# Altium PCB 输入耦合衰减.PcbDoc
Units mm, origin at the board's own origin, x right, y up, seen from the top; angles counter-clockwise.
Board outline 66 x 48 mm, 2 copper layers (Top Layer, Bottom Layer); 22 components, 17 nets, 61 pads, 3 vias.
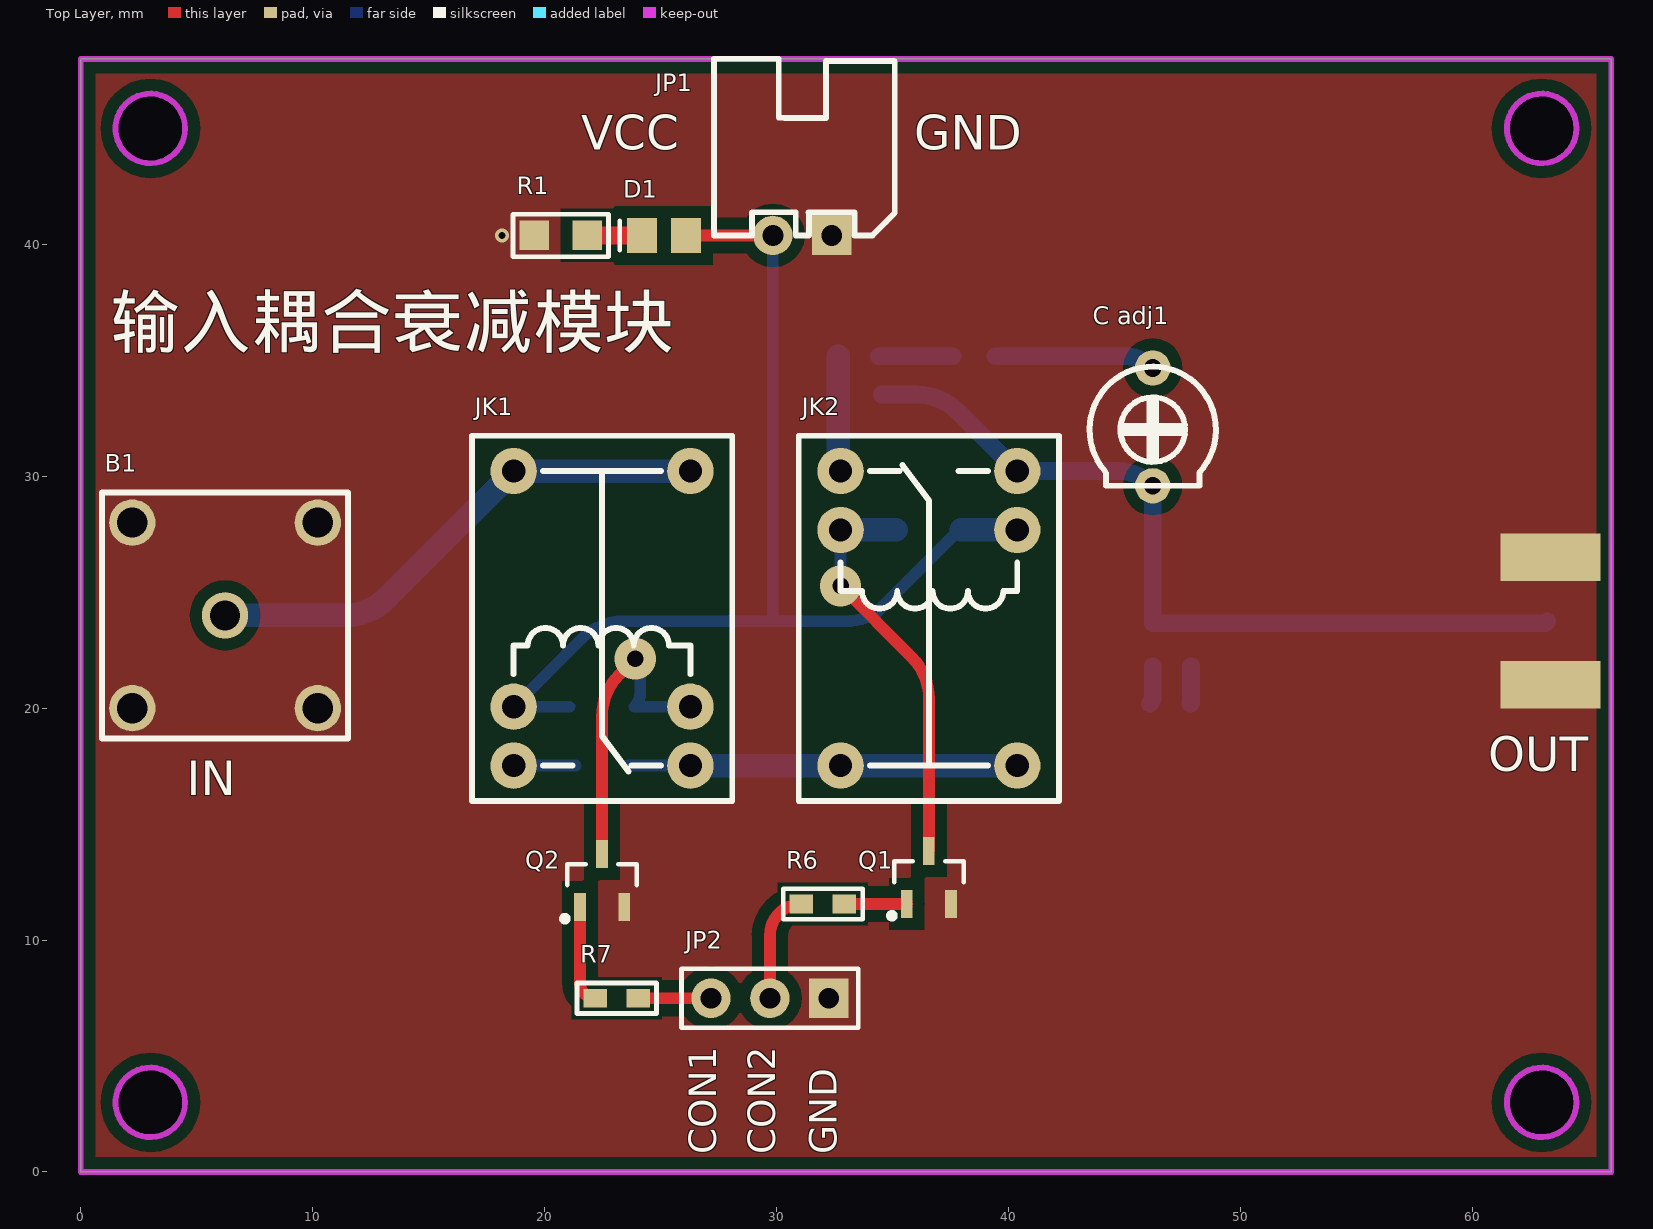
[diagram p0: Top Layer view]
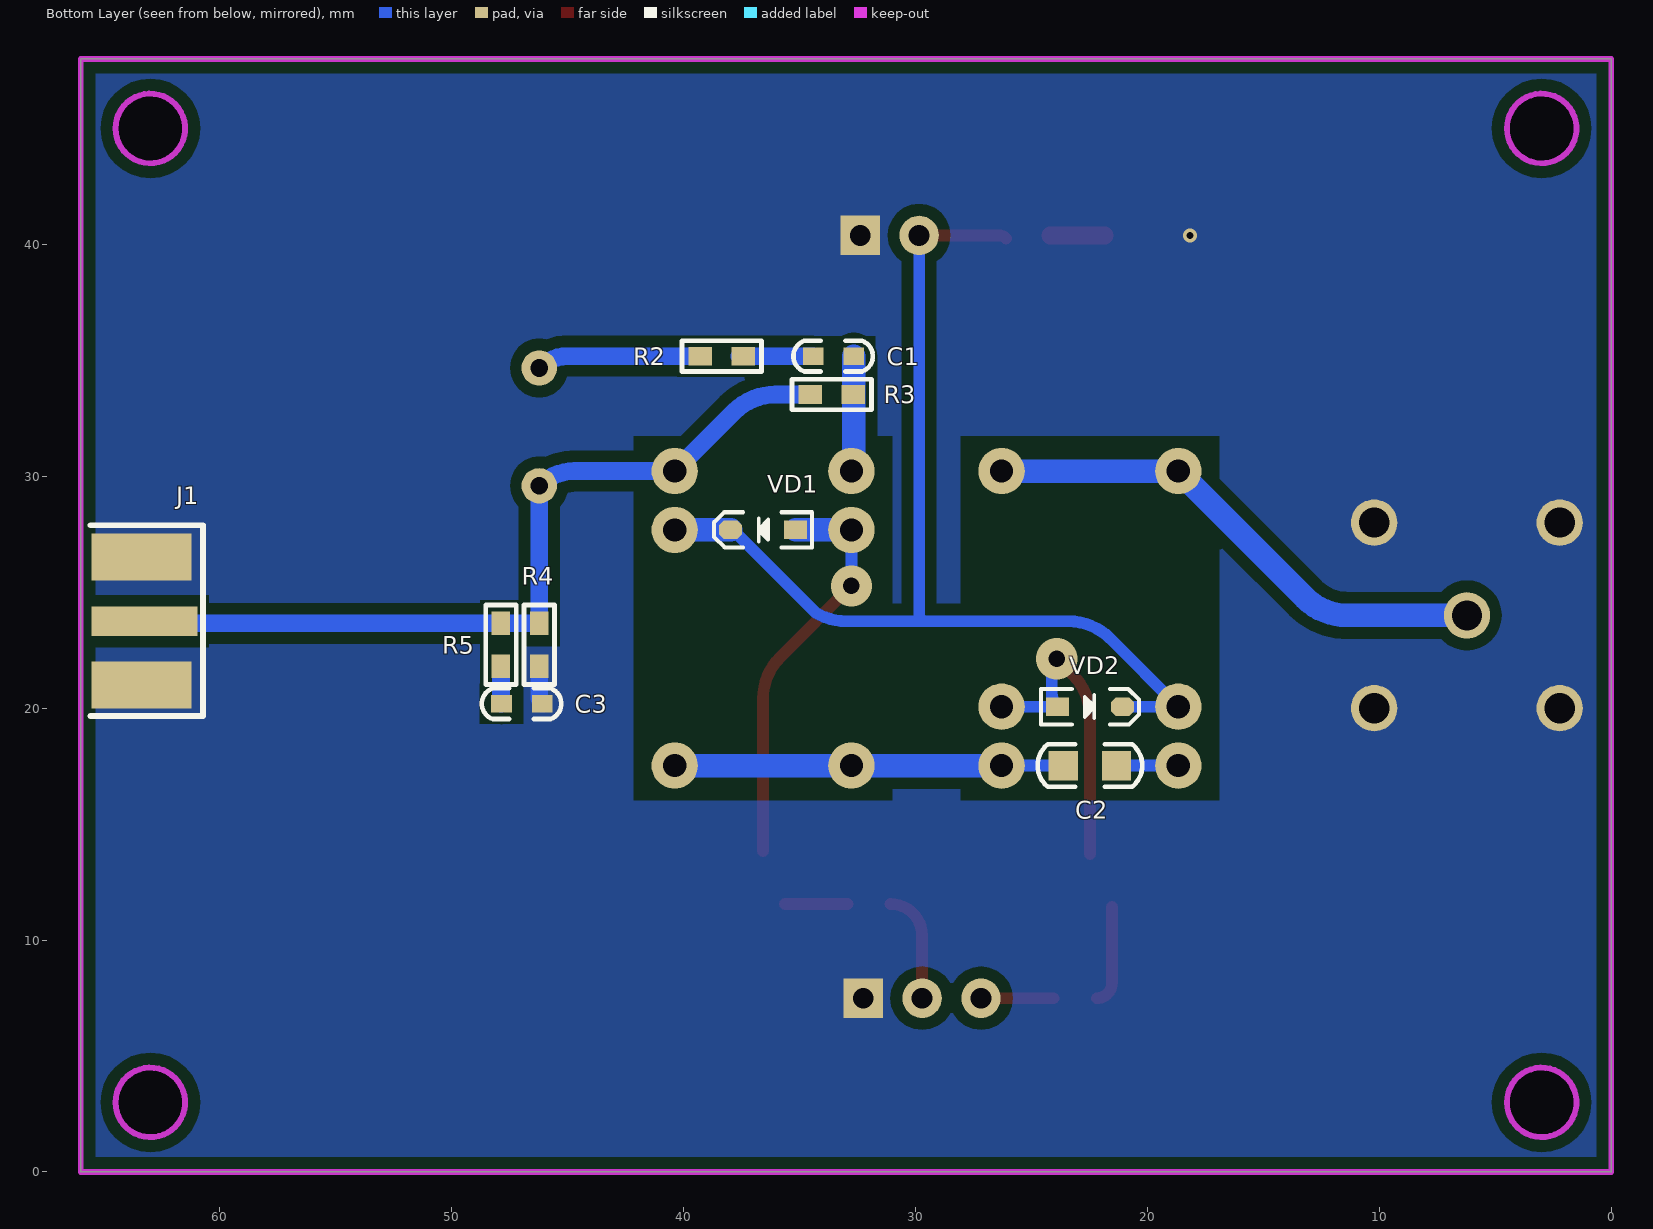
[diagram p1: Bottom Layer view, seen from below]

## Layer stack, top to bottom
Top Solder: solder mask 0.0102, Solder Resist, Dk 3.5
Top Layer: signal copper 0.0356
Dielectric 1: dielectric 0.32, FR-4, Dk 4.8
Bottom Layer: signal copper 0.0356
Bottom Solder: solder mask 0.0102, Solder Resist, Dk 3.5

## Board outline
0,0 66,0 66,48 0,48
cut-out: 61.5,3 ccw(c63,3) 63,1.5 ccw(c63,3) 64.5,3 ccw(c63,3) 63,4.5 ccw(c63,3)
cut-out: 61.5,45 ccw(c63,45) 63,43.5 ccw(c63,45) 64.5,45 ccw(c63,45) 63,46.5 ccw(c63,45)
cut-out: 3,43.5 cw(c3,45) 1.5,45 cw(c3,45) 3,46.5 cw(c3,45) 4.5,45 cw(c3,45)
cut-out: 3,1.5 cw(c3,3) 1.5,3 cw(c3,3) 3,4.5 cw(c3,3) 4.5,3 cw(c3,3)

## Design rules (kind name [scope] priority, off if disabled: settings)
Clearance [All] p1: gap=0.254 ignorepadtopadclearanceinfootprint=FALSE except(0: Arc-Hole Track-Hole SMDPad-Hole THPad-Hole Via-Hole Fill-Hole Poly-Hole Region-Hole Text-Hole; 0.508: Arc-Poly Track-Poly SMDPad-Poly THPad-Poly Via-Poly Fill-Poly Poly-Poly)
MinimumSolderMaskSliver [All] p1: minsoldermaskwidth=0
PolygonConnect [All] p1: connectstyle=Direct reliefconductorwidth=0.254 reliefentries=4 polygonreliefangle="90 Angle" airgapwidth=0.254
RoutingVias [All] p1: holewidth=0.711 width=1.778 viastyle="Through Hole" minholewidth=0.3 minwidth=0.6 maxholewidth=0.711 maxwidth=1.778
SilkToSilkClearance [All] p1: silktosilkclearance=0
SilkToSolderMaskClearance [IsPad] p1: minsilkscreentomaskgap=0 clearancetoexposedcopper=TRUE
SolderMaskExpansion [All] p1: expansion=0.102
Width [All] p1: maxlimit=2.54 minlimit=0.025 preferedwidth=0.254
27 further rules are at their usual default settings.

## Components (designator, comment, footprint, x,y, rotation, side; value= is the part's Value field where it differs from the comment)
B1 "BNC" BNC 6.223,24 r180 top
C1 "10pF" "C 0603" 33.553,35.179 r0 bottom
C2 "104" "C 0805" 22.479,17.526 r0 bottom
C3 "10pF" "C 0603" 46.99,20.193 r0 bottom
"C adj1" "C adj" "Cap adj" 46.228,32.004 r0 top value=30pF
D1 "LED" LED_0805 25.146,40.386 r180 top
J1 "COAX" MCX5.08-5-H 63.246,23.749 r180 bottom
JK1 "HK4100F-DC5V-SHG" HK4100F 22.479,23.876 r90 top
JK2 "HK4100F-DC5V-SHG" HK4100F 36.576,23.876 r270 top
JP1 "HDR-1X2" XH2.54-2P_H 32.385,40.386 r180 top
JP2 "HDR-1X3" HDR-1X3 32.258,7.493 r180 top
Q1 "S9013" SOT23-3N 36.576,12.7 r0 top
Q2 "S9013" SOT23-3N 22.479,12.573 r0 top
R1 "1K" "R 0805" 20.701,40.386 r180 top
R2 "1K" "R 0603" 38.354,35.179 r0 bottom
R3 "887K" "R 0603" 33.617,33.528 r0 bottom
R4 "127K" "R 0603" 46.228,22.733 r90 bottom
R5 "1K" "R 0603" 47.879,22.733 r90 bottom
R6 "200" "R 0603" 32.004,11.557 r0 top
R7 "200" "R 0603" 23.114,7.493 r180 top
VD1 "1N4148" SOD-323 36.576,27.686 r0 bottom
VD2 "1N4148" SOD-323 22.479,20.066 r180 bottom

## Footprints (in the part's own frame and the unit in brackets; to place one, negate y for a bottom-side part, rotate by r counter-clockwise, add the part's x,y. Pads: shape width x height; smd on the part's side, far side on the other; paste and mask are expansions set on the pad)
BNC [mm] "BNC座子"
  round 2 hole 1.3: 1(0,0) 2(-4,4) 2(-4,-4) 2(4,4) 2(4,-4)
  silkscreen extent -5.3,-5.3 5.3,5.3
"C 0603" [mil] "无极性贴片电容"
  rect 35x30 smd: 1(-35,0) 2(34,0)
  silkscreen extent -67,-26 67,26, body extent -31,-16 31,16, height 32
"C 0805" [mil] "无极性贴片电容"
  rect 50x50 smd: 1(-45,0) 2(45,0)
  silkscreen extent -89,-36 89,36, body extent -39,-24 39,24, height 20
"Cap adj" [mil]
  round 60 hole 30: 1(0,105) 2(0,-95)
  silkscreen extent -107,-95 107,107
HDR-1X3 [mm] "排针，3脚"
  rect 1.7x1.7 hole 0.9: 1(0,0)
  round 1.7 hole 0.9: 2(2.54,0) 3(5.08,0)
  silkscreen extent -1.27,-1.27 6.35,1.27, body extent -1.27,-1.27 6.35,1.27, height 8.5
HK4100F [mm] "继?"
  round 2 hole 1: 1(-3.81,3.81) 2(-3.81,-3.81) 3(6.35,-3.81) 3(6.35,3.81) 4(-6.35,3.81) 5(-6.35,-3.81)
  silkscreen extent -7.87,-5.61 7.87,5.61, body extent -7.75,-5.5 7.75,5.5, height 12.2
LED_0805 [mm] "贴片二极管"
  rect 1.3x1.5 smd: 1(-0.95,0) 2(0.95,0)
  silkscreen extent 1.91,-0.63 1.91,0.64
MCX5.08-5-H [mil]
  rect 180x50 smd: 1(0,0)
  rect 170x80 smd: 2(-5,109.25) 5(-5,-108.27)
  rect 170x80 smd far side: 3(-5,108.66) 4(-5,-107.87)
  silkscreen extent -92,-161 99,163, body extent -93,-132 80,134, height 39
"R 0603" [mil] "1/10W贴片电阻"
  rect 40x31.5 smd: 1(-36.5,0) 2(36.5,0)
  silkscreen extent -68,-26 68,26, body extent -31,-16 31,16, height 16
"R 0805" [mil] "1/8W贴片电阻"
  rect 50x50 smd: 1(-45,0) 2(45,0)
  silkscreen extent -81,-36 81,36, body extent -39,-25 39,25, height 20
SOD-323 [mm] "1.8x1.3X0.9mm（长宽高，不包括引脚）"
  rect 1x0.8 smd: 1(-1.4,0)
  oct 1x0.8 smd: 2(1.4,0)
  silkscreen extent -2.11,-0.76 2.11,0.76, body extent -1.34,-0.63 1.31,0.67, height 1
SOT23-3N [mm] "3x1.3x1mm(长宽高)"
  rect 0.5x1.2 smd: 1(-0.95,-1.143) 2(0.95,-1.143) 3(0,1.143)
  silkscreen extent -1.72,-1.78 1.5,0.7, body extent -1.5,-1.2 1.5,1.2, height 1.05
XH2.54-2P_H [mm] "接插件，2P"
  rect 1.7x1.7 hole 0.9: 1(0,0)
  round 1.7 hole 0.9: 2(2.54,0)
  silkscreen extent -2.72,-7.62 5.08,0, body extent -2.5,-7.35 5.04,0.35, height 5.73

## Part data
B1: "BNC座子"
C1 C2 C3: library part C, "无极性贴片电容"
"C adj1": library part "Cap adj"
D1: "发光二极管", LatestRevisionDate=08-Jul-2005, LatestRevisionNote="Mech Layer 1 removed.", PackageReference=LED, Published=8-Jun-2000, Publisher="Altium Limited"
JK1 JK2: library part HK4100F, "单路双控继电器", BOM名称=单路双控继电器, 学习资源=www.ooocke.com, 版权归属=源创客
JP1: library part "Header 2", "2P接插件", BOM名称=2P接插件, 学习资源=www.ooocke.com, 版权归属=源创客
JP2: library part "Header 3", "3P接插件"
Q1 Q2: library part 9013-SMD, "低频放大-NPN型", BOM名称=低频放大-NPN型, 学习资源=www.ooocke.com, 属性=50V?0.5A?0.625W, 版权归属=源创客
R1 R2 R3 R4 R5 R6 R7: library part R, "贴片电阻"
VD1 VD2: "高速开关二极管"

## Via types
v1: diameter 1.778, hole 0.711, Top Layer to Bottom Layer, 2 vias
v2: diameter 0.6, hole 0.3, Top Layer to Bottom Layer, tented both sides, 1 vias

## Nets (pads, with @x,y where several pads share a name; then routed paths per layer and width w, separated by ;. In a path a pad name is that pad's centre, name@x,y a point inside that pad or via, vN(x,y) a via of type N, cw(c..) or ccw(c..) an arc to the next point about the centre after c; other vN are vias at no path point)
CON1: JP2.3 R7.1 | length 3.1
  Top Layer w0.508: R7.1 JP2.3
CON2: JP2.2 R6.1 | length 4.8
  Top Layer w0.508: JP2.2 29.718,10.198 cw(c31.077,10.198) R6.1
GND: B1.2 C3.1 J1.2 J1.3 J1.4 J1.5 JP1.1 JP2.1 Q1.2 Q2.2 R1.2 R4.1 | length 1.6
  Bottom Layer w0.762: C3.1 ccw(c45.794,20.5) 46.228,20.5 R4.1
  other v2: 18.161,40.386
NetB1_1: B1.1 JK1.3 | length 22.5
  Bottom Layer w1.016: B1.1 11.391,24 ccw(c11.391,26.54) 13.187,24.744 18.669,30.226 JK1.3@26.289,30.226
NetC1_1: C1.1 JK2.5 R3.1 | length 5
  Bottom Layer w1.016: C1.1 32.664,30.471 ccw(c33.011,30.471) JK2.5
NetC1_2: C1.2 R2.1 | length 3.2
  Bottom Layer w0.762: C1.2 R2.1 R2.1@37.592,35.179
NetC2_1: C2.1 JK1.4 | length 2.7
  Bottom Layer w0.508: JK1.4 C2.1
NetC2_2: C2.2 JK1.5 JK2.3 | length 16.8
  Bottom Layer w0.508: C2.2 JK1.5
  Bottom Layer w1.016: JK1.5 32.766,17.526 JK2.3@40.386,17.526
NetC3_2: C3.2 R5.1 | length 1.6
  Bottom Layer w0.762: C3.2 ccw(c47.792,20.254) 47.879,20.254 R5.1
"NetC adj1_1": "C adj1.1" R2.2 | length 6.9
  Bottom Layer w0.762: R2.2@39.446,35.179 45.002,35.179 cw(c45.002,33.445) 46.228,34.671
"NetC adj1_2": "C adj1.2" J1.1 JK2.4 R3.2 R4.2 R5.2 | length 36.1
  Bottom Layer w0.762: R3.2 36.032,33.528 cw(c36.032,30.988) 37.828,32.784 JK2.4 44.695,30.226 cw(c44.695,28.058) 46.228,29.591 R4.2 R5.2 63.031,23.66 ccw(c63.031,23.964) J1.1
NetD1_2: D1.2 R1.1 | length 2.4
  Top Layer w0.762: R1.1 D1.2
NetJK1_2: JK1.2 Q2.3 VD2.1 | length 13.8
  Top Layer w0.508: Q2.3 22.479,19.649 cw(c25.019,19.649) 23.223,21.445 v1(23.913,22.135)
  Bottom Layer w0.508: v1(23.913,22.135) cw(c24.13,21.918) 24.13,22.225 24.13,20.672 cw(c23.273,20.672) VD2.1 JK1.2
NetJK2_2: JK2.2 Q1.3 VD1.1 | length 17.7
  Top Layer w0.508: v1(32.766,25.273) 35.832,22.207 cw(c34.036,20.411) 36.576,20.411 Q1.3
  Bottom Layer w0.508: v1(32.766,25.273) JK2.2
  Bottom Layer w1.016: JK2.2 VD1.1
NetQ1_1: Q1.1 R6.2 | length 2.7
  Top Layer w0.508: R6.2 Q1.1
NetQ2_1: Q2.1 R7.2 | length 4.3
  Top Layer w0.508: Q2.1 21.529,8.151 ccw(c22.187,8.151) R7.2
VCC: D1.1 JK1.1 JK2.1 JP1.2 VD1.2 VD2.2 | length 47.5
  Top Layer w0.508: D1.1@26.096,40.259 cw(c26.403,39.952) 26.403,40.386 JP1.2
  Bottom Layer w0.508: VD2.2 JK1.1 21.608,23.005 cw(c23.404,21.209) 23.404,23.749 29.718,23.749 ; JP1.2 29.845,24.056 cw(c29.411,24.056) 29.718,23.749 ; VD1.2 37.876,27.686 34.312,24.122 cw(c32.987,26.289) 32.987,23.749 29.718,23.749
  Bottom Layer w1.016: VD1.2 JK2.1

## Polygon pours and split planes (outlines as drawn)
GND on Top Layer "Top Layer-No Net" (solid, remove dead copper, pour order 0): 0,0 66,0 66,48 0,48
GND on Bottom Layer "Top Layer-No Net1" (solid, remove dead copper, pour order 1): 0,0 66,0 66,48 0,48

## Keep-outs
Keep-Out Layer:
  circle w0.254: c3,3 r1.5
  circle w0.254: c63,3 r1.5
  circle w0.254: c63,45 r1.5
  circle w0.254: c3,45 r1.5
  lines w0.254: 0,0 0,48 66,48 66,0 0,0

## Other copper
Top Layer:
  pour cut-out: 30.988,31.75 42.164,31.75 42.164,16.002 30.988,16.002
  pour cut-out: 16.891,31.75 28.067,31.75 28.067,16.002 16.891,16.002
Bottom Layer:
  pour cut-out: 30.988,31.75 42.164,31.75 42.164,16.002 30.988,16.002
  pour cut-out: 16.891,31.75 28.067,31.75 28.067,16.002 16.891,16.002

## Silkscreen, mask and mechanical layers (free items; w line width, h text height)
Top Overlay:
  text "VCC" at 21.59,43.589 h2.54
  text "GND" at 35.941,43.592 h2.54
  text "输入耦合衰减模块" at 1.27,34.847 h3.81
  text "OUT" at 60.706,16.795 h2.54
  text "IN" at 4.572,15.748 h2.54
  text "CON1" at 27.789,0.762 h2.03 r90
  text "CON2" at 30.329,0.762 h2.03 r90
  text "GND" at 32.996,0.762 h2.03 r90